# Allegro board 1103400-C000PC024-HI3521DV200-CORE-A01-pcb166.brd
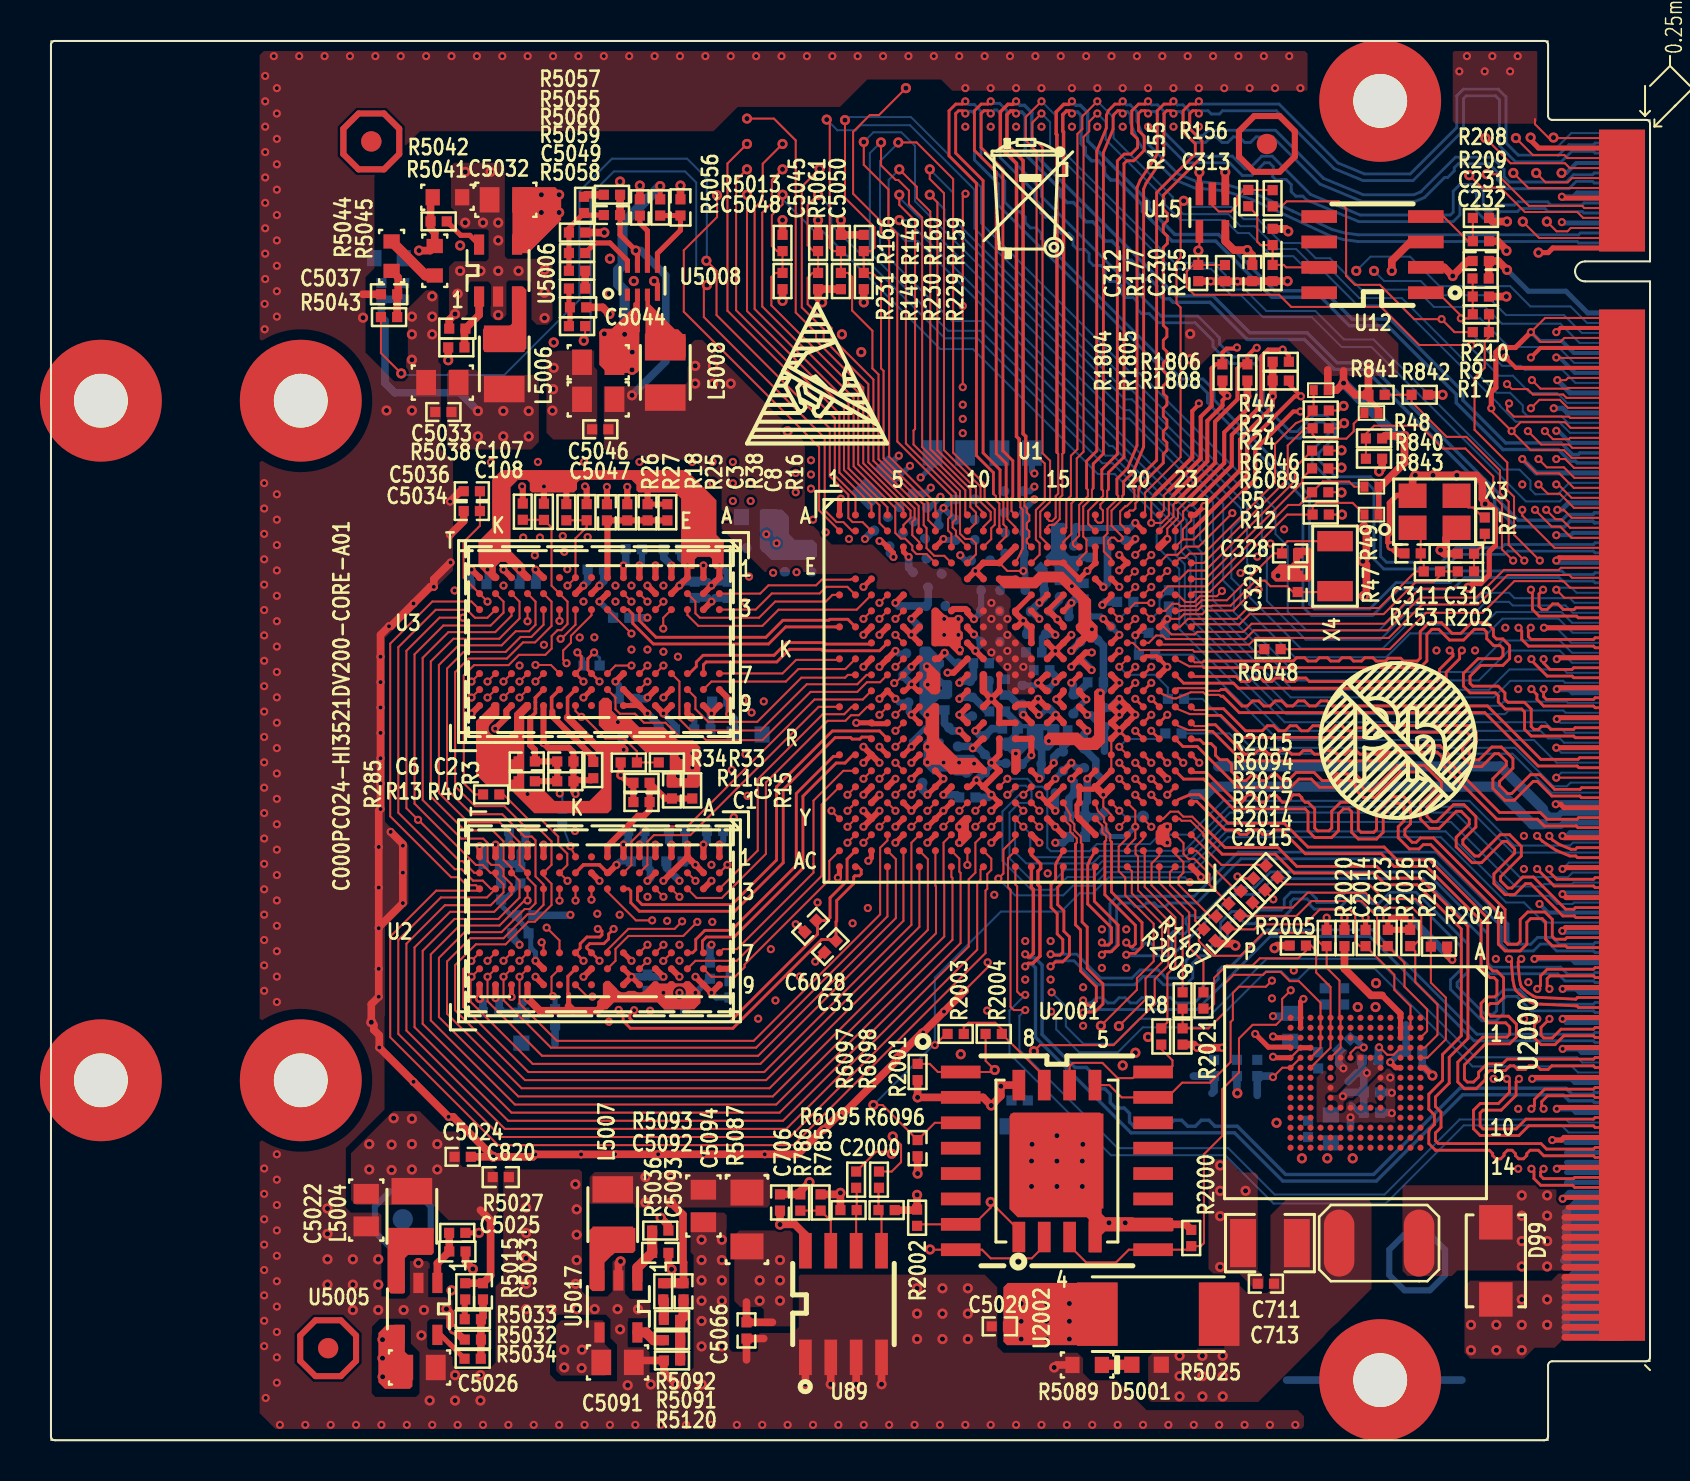
[diagram p0: board, top side]
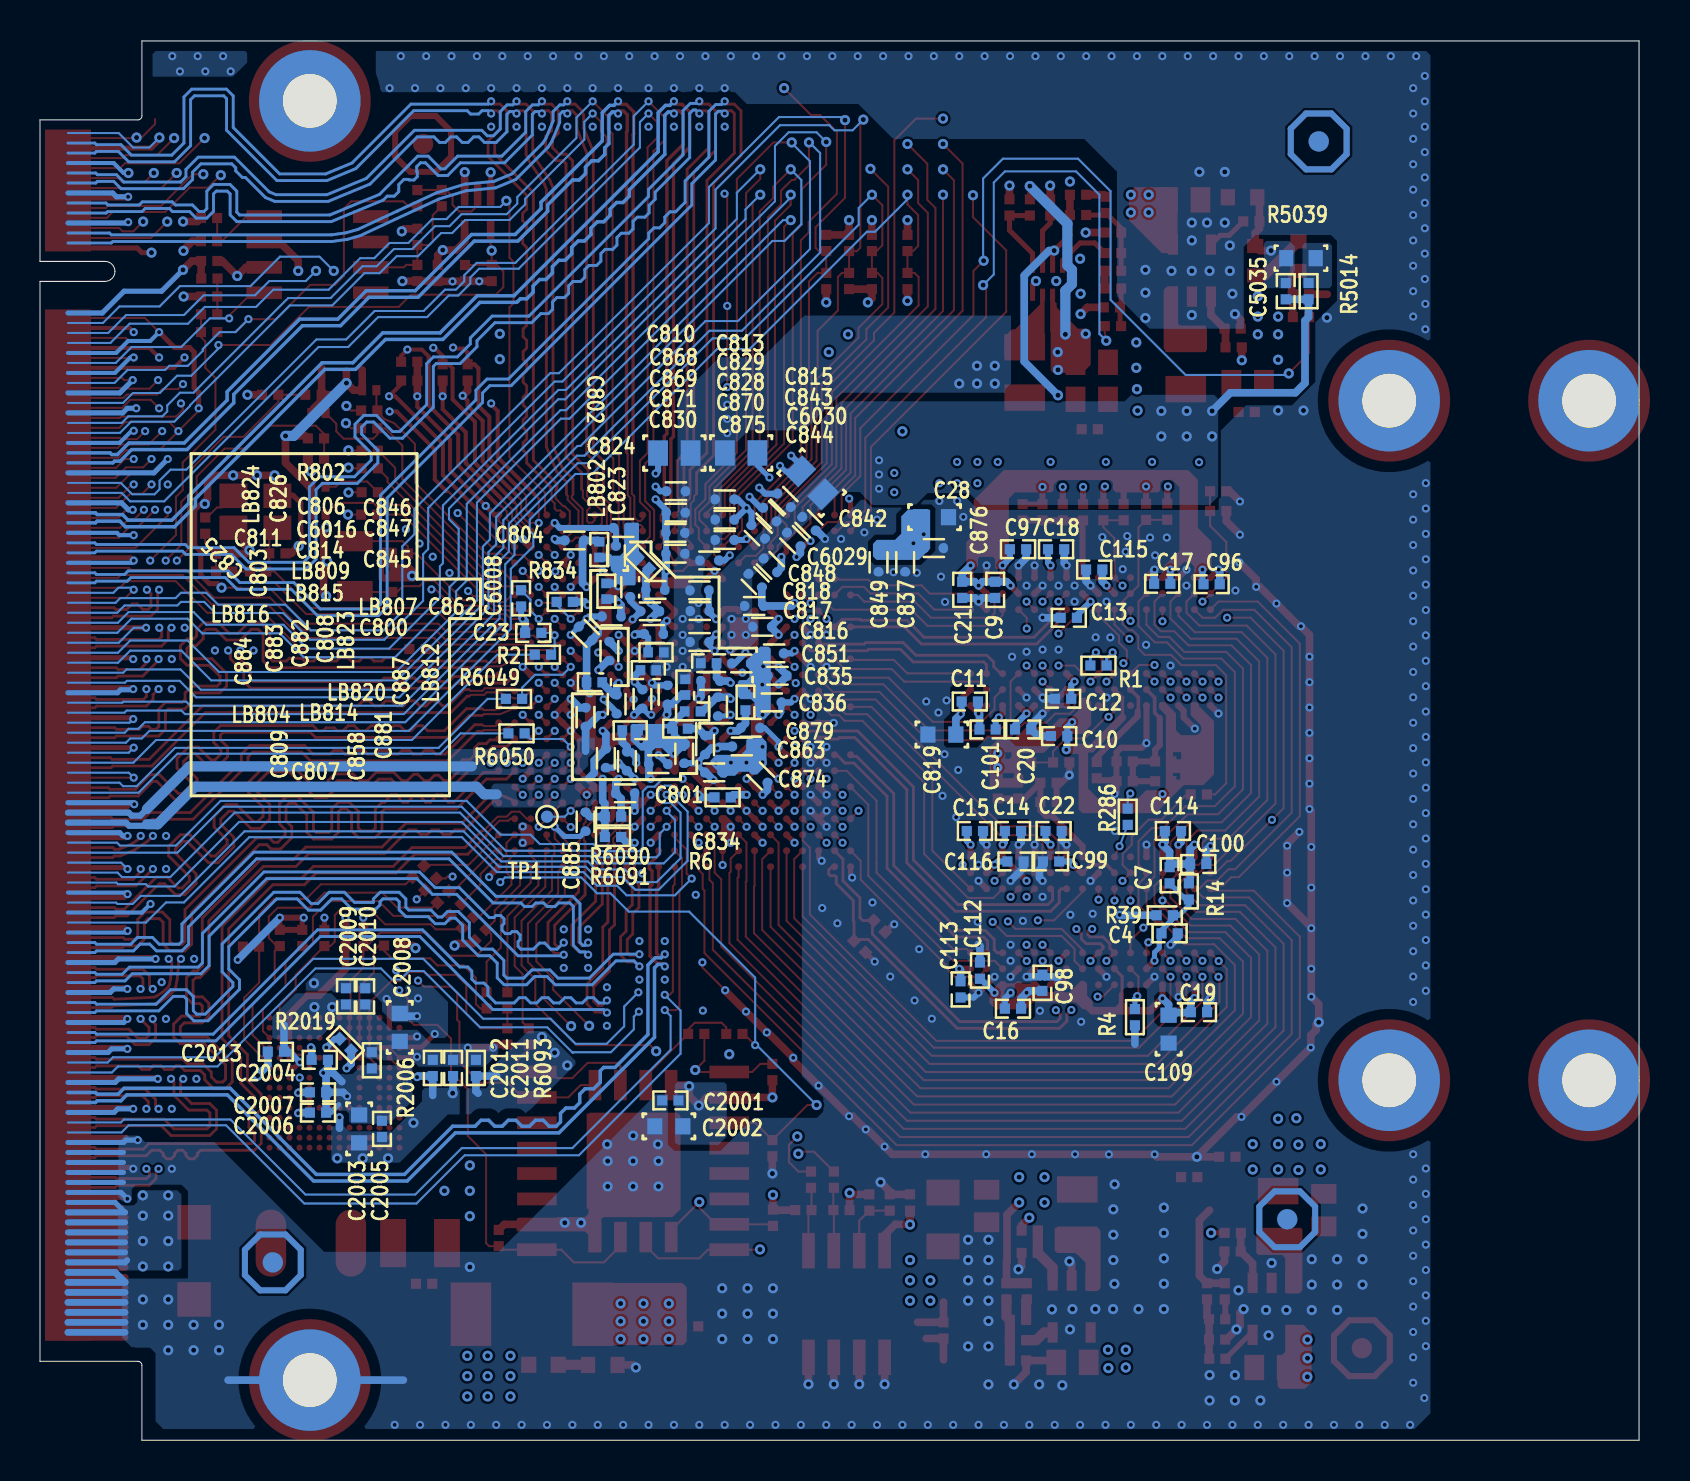
[diagram p1: board, bottom side, seen from below]

Outline 80 x 70.01 mm; copper layers: TOP, GND02, ART03, ART04, GND05, BOTTOM. Coordinates in mm from the lower left corner of the outline.
Outline path: 0,70.01 74.9,70.01 74.9,66.26 arc(74.96,66.12) 75.1,66.06 80,66.06 80,58.98 76.75,58.98 arc(76.4,58.83) 76.25,58.48 76.25,58.48 arc(76.4,58.13) 76.75,57.98 80,57.98 80,3.95 75.1,3.95 arc(74.96,3.89) 74.9,3.75 74.9,0 0,0 0,70.01

## Design rules (mm)
net group $37N240: nets $37N240 I2C0_SDA
net group $37N699: nets $37N699 I2C0_SCL
net group DIFFPAIR8: nets USB2_2_DM USB2_2_DP
net group DIFFPAIR9: nets USB2_0_DM USB2_0_DP
net group DIFFPAIR26: nets USB2_1_DM USB2_1_DP
net group DIFFPAIR28: nets DDR_CLK_N DDR_CLK_P
net group EMMC_CLK_R: nets EMMC_CLK_R N17822
net group EMMC_CMD: nets EMMC_CMD EMMC_CMD_R
net group EMMC_DATA0: nets EMMC_DATA0 EMMC_DATA0_R
net group EMMC_DATA1: nets EMMC_DATA1 EMMC_DATA1_R
net group EMMC_DATA2: nets EMMC_DATA2 EMMC_DATA2_R
net group EMMC_DATA3: nets EMMC_DATA3 EMMC_DATA3_R
net group I2C1_SCL: nets $37N701 I2C1_SCL
net group I2S0_BCLK: nets I2S0_BCLK I2S0_BCLK_R
net group I2S0_MCLK: nets I2S0_MCLK I2S0_MCLK_R
net group I2S1_BCLK: nets I2S1_BCLK I2S1_BCLK_R
net group N15763: nets N15763 N15781
net group SFC_250MIL: nets SFC_MISO_IO1 SFC_MOSI_IO0
net group SFC_CLK: nets SFC_CLK SFC_CLK_R
net group SFC_WP_IO2: nets N17840 SFC_WP_IO2
net group VI_AD_REFCLK0/MIPIRX_CMOS_MODE_: nets N04522 VI_AD_REFCLK0/MIPIRX_CMOS_MODE_
net group VI_AD_REFCLK1/MIPIRX_CMOS_MODE_: nets N04474 VI_AD_REFCLK1/MIPIRX_CMOS_MODE_
net group DDR4_DQ: nets DDR_A0 DDR_A1 DDR_A2 DDR_A3 DDR_A4 DDR_A5 DDR_A6 DDR_A7 DDR_A8 DDR_A9 DDR_A10 DDR_A11 DDR_A12 DDR_A13 DDR_A14 DDR_A15 DDR_BA0 DDR_BA1 DDR_CKE DDR_CS_N DDR_CS_N_1 DDR_DM0 DDR_DM1 DDR_DM2 DDR_DM3 DDR_DQ0 DDR_DQ1 DDR_DQ2 DDR_DQ3 DDR_DQ4 DDR_DQ5 DDR_DQ6 DDR_DQ7 DDR_DQ8 DDR_DQ9 DDR_DQ10 DDR_DQ11 DDR_DQ12 DDR_DQ13 DDR_DQ14 DDR_DQ15 DDR_DQ16 DDR_DQ17 DDR_DQ18 DDR_DQ19 DDR_DQ20 DDR_DQ21 DDR_DQ22 DDR_DQ23 DDR_DQ24 DDR_DQ25 DDR_DQ26 DDR_DQ27 DDR_DQ28 DDR_DQ29 DDR_DQ30 DDR_DQ31 DDR_DQS0_N DDR_DQS0_P DDR_DQS1_N DDR_DQS1_P DDR_DQS2_N DDR_DQS2_P DDR_DQS3_N DDR_DQS3_P DDR_ODT DDR_ODT_1 DDR_RESET_N
net group MIPI_RX1_CK_150MIL: nets MIPI_RX1_CKN/VI1_DATA6 MIPI_RX1_CKP/VI1_DATA5 MIPI_RX1_D0N/VI1_DATA2 MIPI_RX1_D0P/VI1_DATA1 MIPI_RX1_D1N/VI1_DATA0 MIPI_RX1_D1P/VI1_CLK MIPI_RX1_D2N/VI1_CLK MIPI_RX1_D2P/VI1_DATA7 MIPI_RX1_D3N/VI1_DATA4 MIPI_RX1_D3P/VI1_DATA3
net group MONI: nets CVBS VGA_B VGA_G VGA_R
net group RST: nets JTAG_TRSTN/SPI1_CSN SYS_RSTN_OUT SYS_RSTN_OUT/WDG_RSTN WDG_RSTN_RST
net group SFC_HOLD_IO3: nets $22N821 SFC_HOLD_IO3 SYS_RSTN

## Placement (name value [footprint] x y rotation side)
C1  100NF  [SC0402]  29.54 31.93 180 top
C2  100NF  [SC0402]  25.73 33.96 0 top
C3  100NF  [SC0402]  27.82 46.43 90 top
C4  100NF  [SC0402]  23.49 25.36 180 bottom
C5  100NF  [SC0402]  31.07 32.51 270 top
C6  100NF  [SC0402]  23.8 33.96 0 top
C7  100NF  [SC0402]  23.49 28.27 270 bottom
C8  100NF  [SC0402]  29.85 46.43 270 top
C9  100NF  [SC0402]  32.21 42.55 270 bottom
C10  100NF  [SC0402]  29.01 35.23 0 bottom
C11  100NF  [SC0402]  33.48 36.96 180 bottom
C12  100NF  [SC0402]  28.82 37.1 0 bottom
C13  100NF  [SC0402]  28.53 41.15 0 bottom
C14  100NF  [SC0402]  31.32 30.48 180 bottom
C15  100NF  [SC0402]  33.23 30.48 180 bottom
C16  100NF  [SC0402]  31.32 21.59 0 bottom
C17  100NF  [SC0402]  23.85 42.85 0 bottom
C18  100NF  [SC0402]  29.16 44.58 180 bottom
C19  100NF  [SC0402]  22.02 21.42 180 bottom
C20  100NF  [SC0402]  30.81 35.56 180 bottom
C21  100NF  [SC0402]  33.86 42.55 270 bottom
C22  100NF  [SC0402]  29.29 30.48 180 bottom
C23  100NF/NC  [SC0402]  55.32 40.39 0 bottom
C28  10UF  [SC0603]  35.25 46.18 180 bottom
C33  2.2PF  [SC0402]  38.99 24.7 225 top
C96  1UF  [SC0402]  21.39 42.83 180 bottom
C97  1UF  [SC0402]  31.07 44.58 180 bottom
C98  1UF  [SC0402]  29.85 22.89 90 bottom
C99  1U  [SC0402]  29.42 28.96 0 bottom
C100  1U  [SC0402]  22.05 28.83 180 bottom
C101  1UF  [SC0402]  32.59 35.56 0 bottom
C107  1NF  [SC0402]  21.06 47.48 180 top
C108  1NF  [SC0402]  21.06 46.49 180 top
C109  10UF  [SC0603]  23.54 20.57 270 bottom
C112  470NF  [SC0402]  32.97 23.5 90 bottom
C113  470NF  [SC0402]  33.94 22.56 270 bottom
C114  470NF  [SC0402]  23.32 30.48 180 bottom
C115  470NF  [SC0402]  27.26 43.56 0 bottom
C116  470NF  [SC0402]  31.2 28.96 180 bottom
C230  100NF  [SC0402]  60.1 58.4 270 top
C231  100NF  [SC0402]  71.53 59 0 top
C232  100NF  [SC0402]  71.53 58.12 0 top
C310  18PF  [SC0402]  70.79 44.36 180 top
C311  18PF  [SC0402]  68.12 44.37 180 top
C312  1NF  [SC0402]  57.4 58.4 270 top
C313  1NF  [SC0402]  61.12 60.2 90 top
C328  27PF  [SC0402]  62 44.37 0 top
C329  27PF  [SC0402]  62.38 42.84 90 top
C706  100nF  [SC0402]  36.47 11.9 270 top
C711  22UF/25V  [SC1210B]  60.98 9.86 180 top
C713  100NF  [SC0402]  60.78 7.83 180 top
C800  1uF  [SC0402-BGA]  46.46 37.99 0 bottom
C801  100nF  [SC0402-BGA]  50.72 32.37 180 bottom
C802  100nF  [SC0402-BGA]  51.69 34.12 270 bottom
C803  100nF  [SC0402-BGA]  51.51 39.48 270 bottom
C804  1uF  [SC0402-BGA]  53.26 45.02 0 bottom
C806  100nF  [SC0402-BGA]  49.22 42.54 180 bottom
C807  100nF  [SC0402-BGA]  49.07 33.83 180 bottom
C808  1uF  [SC0402-BGA]  48.6 37.3 90 bottom
C809  1uF  [SC0402-BGA]  50.63 33.97 270 bottom
C810  22UF/NC*  [SC0805B]  48.26 49.39 0 bottom
C811  2.2UF  [SC0402-BGA]  51.41 41.22 0 bottom
C813  22UF  [SC0805B]  44.92 49.4 180 bottom
C814  2.2UF  [SC0402-BGA]  49.29 40.34 180 bottom
C815  22UF/NC*  [SC0805B]  41.39 47.9 45 bottom
C816  1uF  [SC0402-BGA]  43.87 40.7 180 bottom
C817  1uF  [SC0402-BGA]  44.27 41.74 180 bottom
C818  1uF  [SC0402-BGA]  44.22 43.01 225 bottom
C819  10UF  [SC0603]  34.88 35.31 0 bottom
C820  4.7uF  [SC0402-PD]  22.5 13.17 0 top
C823  100nF  [SC0402-BGA]  51.18 44.27 90 bottom
C824  100nF  [SC0402-BGA]  50.82 45.64 0 bottom
C825  100nF  [SC0402-BGA]  52.7 40.37 45 bottom
C826  100nF  [SC0402-BGA]  50.47 42.68 270 bottom
C828  100nF/NC*  [SC0402-BGA]  45.74 46.06 180 bottom
C829  100nF/NC*  [SC0402-BGA]  45.74 47.08 180 bottom
C830  100nF/NC*  [SC0402-BGA]  48.21 44.36 0 bottom
C834  100nF  [SC0402-BGA]  46.27 33.41 0 bottom
C835  100nF  [SC0402-BGA]  43.1 38.25 180 bottom
C836  100nF  [SC0402-BGA]  43.38 36.92 180 bottom
C837  100nF  [SC0402-BGA]  36.72 43.93 270 bottom
C842  100nF/NC*  [SC0402-BGA]  41.53 45.86 225 bottom
C843  100nF/NC*  [SC0402-BGA]  42.77 47.02 45 bottom
C844  4.7uF  [SC0402-BGA]  44.07 45.45 45 bottom
C845  1uF  [SC0402-BGA]  47 39.94 180 bottom
C846  1uF  [SC0402-BGA]  47.01 42.52 180 bottom
C847  1uF  [SC0402-BGA]  46.99 41.49 180 bottom
C848  4.7uF  [SC0402-BGA]  43.46 43.77 225 bottom
C849  100nF  [SC0402-BGA]  38.05 43.93 270 bottom
C851  100nF  [SC0402-BGA]  43.27 39.37 180 bottom
C858  1uF  [SC0402-BGA]  47.77 34.35 270 bottom
C862  100nF  [SC0402-BGA]  44.91 38.86 0 bottom
C863  100nF  [SC0402-BGA]  44.89 34.71 0 bottom
C868  4.7uF  [SC0402-BGA]  48.18 47.48 0 bottom
C869  4.7uF  [SC0402-BGA]  48.19 46.41 0 bottom
C870  2.2UF  [SC0402-BGA]  45.74 45.04 180 bottom
C871  2.2UF  [SC0402-BGA]  48.21 45.4 0 bottom
C874  1uF  [SC0402-BGA]  43.94 33.24 225 bottom
C875  1uF  [SC0402-BGA]  46.51 44.02 180 bottom
C876  100nF  [SC0402-BGA]  35.28 44.64 180 bottom
C879  1uF  [SC0402-BGA]  44.45 35.64 180 bottom
C881  1uF  [SC0402-BGA]  46.72 34.78 270 bottom
C882  1uF  [SC0402-BGA]  49.86 37.09 270 bottom
C883  1uF  [SC0402-BGA]  51.15 36.82 270 bottom
C884  100nF  [SC0402-BGA]  52.7 36.18 90 bottom
C885  100nF  [SC0402-BGA]  52.7 30.95 270 bottom
C887  1uF  [SC0402-BGA]  46.08 36.71 270 bottom
C2000  1NF  [SC0402]  43.36 14.61 270 top
C2001  100NF  [SC0402]  48.46 17 0 bottom
C2002  10UF  [SC0603]  48.54 15.71 0 bottom
C2003  10UF  [SC0603]  64.03 15.58 270 bottom
C2004  100NF  [SC0402]  66 19.03 0 bottom
C2005  100NF  [SC0402]  62.89 15.58 270 bottom
C2006  100NF  [SC0402]  66.09 16.39 0 bottom
C2007  100NF  [SC0402]  66.09 17.41 0 bottom
C2008  10UF  [SC0603]  62 20.66 90 bottom
C2009  100NF  [SC0402]  64.69 22.21 90 bottom
C2010  100NF  [SC0402]  63.73 22.21 90 bottom
C2011  100NF  [SC0402]  59.33 18.63 270 bottom
C2012  100NF  [SC0402]  60.35 18.63 270 bottom
C2013  100NF  [SC0402]  68.2 19.44 0 bottom
C2014  100NF  [SC0402]  64.71 25.13 90 top
C2015  1NF  [SC0402]  57.96 25.28 315 top
C5020  100NF  [SC0402]  47.47 5.7 180 top
C5022  10UF  [SC0805]  15.77 11.52 270 top
C5023  47pF/NC*  [SC0402]  21.61 7.45 270 top
C5024  100NF  [SC0402]  20.6 14.18 0 top
C5025  1uF  [SC0402-PD]  20.33 9.44 0 top
C5026  10UF  [SC0805]  18.44 3.64 0 top
C5032  10UF  [SC0805]  22.76 62.06 180 top
C5033  1uF  [SC0402-PD]  20.33 55.62 180 top
C5034  100NF  [SC0402]  19.63 51.44 180 top
C5035  47pF/NC*  [SC0402]  17.68 57.49 90 bottom
C5036  10UF  [SC0805]  19.58 52.92 180 top
C5037  1uF  [SC0402-PD]  16.92 57.34 180 top
C5044  10UF  [SC0805]  27.38 53.93 180 top
C5045  1NF  [SC0402]  29.46 61.68 90 top
C5046  10UF  [SC0805]  27.38 52.08 180 top
C5047  100NF  [SC0402]  27.48 50.58 180 top
C5048  47pF/NC*  [SC0402]  28.07 61.3 180 top
C5049  1uF  [SC0402-PD]  26.37 56.68 0 top
C5050  1uF  [SC0402-PD]  31.5 61.68 90 top
C5066  100NF  [SC0402]  34.8 5.5 270 top
C5091  10UF  [SC0805]  28.35 3.9 0 top
C5092  1uF  [SC0402-PD]  30.48 9.38 0 top
C5093  47pF/NC*  [SC0402]  31.65 7.45 270 top
C5094  10UF  [SC0805]  32.64 11.72 270 top
C6008  1NF  [SC0402]  55.93 42.12 270 bottom
C6016  2.2UF  [SC0402-BGA]  49.48 41.47 0 bottom
C6028  2.2PF  [SC0402]  38 25.71 225 top
C6029  100nF/NC*  [SC0402-BGA]  42.29 45.07 225 bottom
C6030  100nF/NC*  [SC0402-BGA]  43.48 46.31 45 bottom
D99  1SMA26CAT3G  [SD1710A]  72.29 8.98 90 top
D5001  LED  [HSD0603-LED]  54.81 3.78 180 top
F3  SF1812/2A  [SF1812]  66.45 9.86 180 top
L5004  1UH  [SL1008H]  18.06 11.21 90 top
L5006  1UH  [SL1008H]  22.68 53.85 270 top
L5007  1UH  [SL1008H]  28.11 11.29 90 top
L5008  1UH  [SL1008H]  30.73 53.43 270 top
LB802  LB  [SL0402]  52.02 44.56 90 bottom
LB804  LB  [SL0402]  50.47 35.52 0 bottom
LB807  LB  [SL0402]  46.54 38.88 180 bottom
LB809  LB  [SL0402]  49.18 39.42 0 bottom
LB812  LB  [SL0402]  44.7 36.93 270 bottom
LB814  LB  [SL0402]  47.99 35.61 180 bottom
LB815  LB  [SL0402]  49.57 38.53 0 bottom
LB816  LB  [SL0402]  52.26 37.92 180 bottom
LB820  LB  [SL0402]  47.35 36.47 180 bottom
LB823  LB  [SL0402]  47.72 37.68 270 bottom
LB824  LB  [SL0402]  51.66 42.48 270 bottom
NOREF  -  []  0 0 90 top
NOREF#2  -  []  24.26 92.13 0 top
NOREF#3  -  []  0 70.01 0 top
NOREF#4  -  [unnamed#2]  60.83 64.86 0 top
NOREF#5  -  []  167.56 62.04 0 top
NOREF#6  -  []  168.73 141.49 0 top
NOREF#7  -  []  -65.66 -45.76 0 top
NOREF#8  -  []  51.43 62.24 0 top
NOREF#9  -  [unnamed#2]  13.87 4.61 0 top
NOREF#10  -  []  145.29 203.84 0 top
NOREF#11  -  []  67.39 35.01 0 top
NOREF#12  -  []  152.91 36.76 0 top
NOREF#13  -  []  37.64 52.87 0 top
NOREF#14  -  []  43.79 211.54 0 top
NOREF#15  -  [unnamed#2]  16.03 64.98 0 top
NOREF#16  -  []  9.73 -0.52 270 top
NOREF#17  -  [unnamed#2]  68.35 8.9 180 bottom
NOREF#18  -  [unnamed#2]  17.6 11.06 180 bottom
NOREF#19  -  [unnamed#2]  16.03 64.98 180 bottom
R1  75  [SR0402]  27.05 38.76 180 bottom
R2  0  [SR0402]  54.84 39.3 0 bottom
R3  240  [SR0402]  27.13 33.53 90 top
R4  240  [SR0402]  25.22 21.17 90 bottom
R5  33  [SR0402]  63.5 47.43 180 top
R6  240  [SR0402]  45.85 32.16 180 bottom
R7  0  [SR0402]  71.73 45.76 270 top
R8  33  [SR0402]  55.55 20.2 270 top
R9  0/NC*  [SR0402]  71.54 56.33 180 top
R11  1K  [SR0402]  29.54 32.9 180 top
R12  33  [SR0402]  63.52 46.31 180 top
R13  1K  [SR0402]  23.8 32.97 0 top
R14  1K  [SR0402]  22.52 27.46 270 bottom
R15  1K  [SR0402]  32.08 32.51 270 top
R16  1K  [SR0402]  30.84 46.43 270 top
R17  0  [SR0402]  71.54 55.44 180 top
R18  100  [SR0402]  25.79 46.43 270 top
R23  33  [SR0402]  63.52 51.52 180 top
R24  33  [SR0402]  63.52 50.63 180 top
R25  100  [SR0402]  26.8 46.43 90 top
R26  100  [SR0402]  23.6 46.46 90 top
R27  100  [SR0402]  24.66 46.45 270 top
R33  100  [SR0402]  30.81 33.91 180 top
R34  100  [SR0402]  28.91 33.91 180 top
R38  1K  [SR0402]  28.83 46.43 90 top
R39  1K  [SR0402]  23.73 26.27 0 bottom
R40  1K  [SR0402]  25.73 32.97 0 top
R44  1K  [HSC0402-HDTA]  63.52 52.54 180 top
R47  1K  [HSC0402-HDTA]  66.06 46.31 180 top
R48  1K  [HSC0402-HDTA]  66.06 51.39 180 top
R49  1K  [HSC0402-HDTA]  66.06 47.71 180 top
R146  4.7K*  [SR0402]  38.38 59.9 90 top
R148  1K  [SR0402]  38.38 58 90 top
R153  1MEG/NC*  [SR0402]  69.09 43.47 0 top
R155  0/NC*  [SR0402]  59.9 62.15 90 top
R156  0  [SR0402]  61.12 62.14 90 top
R159  4.7K  [SR0402]  40.66 59.9 90 top
R160  1K*  [SR0402]  39.52 59.9 90 top
R166  1K*  [SR0402]  36.6 59.9 90 top
R177  1K  [SR0402]  58.73 58.39 270 top
R202  100  [SR0402]  70.79 43.47 0 top
R208  4.7K  [SR0402]  71.54 61.15 0 top
R209  4.7K  [SR0402]  71.54 59.99 180 top
R210  4.7K  [SR0402]  71.54 57.22 180 top
R229  1K*  [SR0402]  40.66 58 90 top
R230  1K  [SR0402]  39.52 58 90 top
R231  1K  [SR0402]  36.6 58 90 top
R255  100K  [SR0402]  61.12 58.4 270 top
R285  10  [SR0402]  22.03 32.31 180 top
R286  10  [SR0402]  25.58 31.19 90 bottom
R785  NC  [SR0402]  38.51 11.9 270 top
R786  4.7K  [SR0402]  37.49 11.9 90 top
R802  0  [SR0402]  49.81 43.9 45 bottom
R834  12K  [SR0402]  53.75 41.94 180 bottom
R840  4.7K/NC*  [SR0402]  66.19 50.12 180 top
R841  4.7K  [SR0402]  66.32 52.31 0 top
R842  1K/NC*  [SR0402]  68.48 52.31 0 top
R843  1K  [SR0402]  66.19 49.11 0 top
R1407  33  [SR0402]  57.66 22.01 270 top
R1804  75  [SR0402]  58.61 53.43 270 top
R1805  75  [SR0402]  59.85 53.43 270 top
R1806  75  [SR0402]  61.53 53.96 180 top
R1808  75  [SR0402]  61.53 53.02 180 top
R2000  4.7K  [SR0402]  57.05 10.12 90 top
R2001  4.7K  [SR0402]  43.36 18.42 90 top
R2002  4.7K  [SR0402]  43.33 11.13 270 top
R2003  0/NC*  [SR0402]  45.26 20.33 180 top
R2004  0  [SR0402]  47.17 20.33 180 top
R2005  47K/NC*  [SR0402]  62.38 24.75 180 top
R2006  0/NC*  [SR0402]  63.4 19.01 90 bottom
R2008  33  [SR0402]  56.62 22.01 270 top
R2014  33  [SR0402]  58.58 25.92 315 top
R2015  33  [SR0402]  61.07 28.46 315 top
R2016  33  [SR0402]  59.83 27.19 315 top
R2017  33  [SR0402]  59.21 26.55 315 top
R2019  20K  [SR0402]  64.72 19.8 225 bottom
R2020  47K/NC*  [SR0402]  63.82 25.13 270 top
R2021  47K/NC*  [SR0402]  56.62 20.2 90 top
R2023  47K/NC*  [SR0402]  65.77 25.13 270 top
R2024  47K/NC*  [SR0402]  69.44 24.7 180 top
R2025  47K/NC*  [SR0402]  68 25.13 270 top
R2026  47K/NC*  [SR0402]  66.88 25.13 270 top
R5013  0  [SR0402]  28.07 62.32 180 top
R5014  0  [SR0402]  16.53 57.49 90 bottom
R5015  0  [SR0402]  20.73 7.45 270 top
R5025  0.005  [SR2512C]  55.4 6.31 180 top
R5027  75K  [SR0402]  20.33 10.38 180 top
R5032  10K  [SR0402]  21.11 5.04 180 top
R5033  15K  [SR0402]  21.11 6.05 0 top
R5034  0  [SR0402]  21.1 4.08 0 top
R5036  0  [SR0402]  30.63 7.45 270 top
R5038  100K  [SR0402]  20.28 54.68 0 top
R5039  13.3K  [SR0603]  16.92 59.14 0 bottom
R5041  0  [SR0402]  19.4 60.98 180 top
R5042  18K  [SR0603]  19.84 62.19 0 top
R5043  1K  [SR0402]  16.92 56.19 0 top
R5044  120K  [SR0603]  17.04 59.24 90 top
R5045  26.1K  [SR0603]  19.2 59.01 90 top
R5055  0  [SR0402]  26.32 59.4 180 top
R5056  17.4K  [SR0402]  26.67 61.81 270 top
R5057  24.9K  [SR0402]  26.32 60.42 0 top
R5058  1K  [SR0402]  26.32 55.74 180 top
R5059  100K  [SR0402]  26.32 57.62 0 top
R5060  75K  [SR0402]  26.32 58.51 180 top
R5061  100K  [SR0402]  30.48 61.68 270 top
R5087  0.005  [SR1206]  34.82 11.05 270 top
R5089  470  [SR0603]  51.84 3.77 180 top
R5091  0  [SR0402]  31.07 5.01 0 top
R5092  20K  [SR0402]  31.07 6.02 0 top
R5093  75K  [SR0402]  30.48 10.49 180 top
R5120  10K  [SR0402]  31.07 3.99 180 top
R6046  33  [SR0402]  63.5 49.51 0 top
R6048  33  [SR0402]  61.11 39.58 0 top
R6049  33  [SR0402]  56.29 37.09 180 bottom
R6050  33  [SR0402]  56.16 35.37 0 bottom
R6089  33  [SR0402]  63.5 48.62 0 top
R6090  0/NC*  [SR0402]  51.33 31.2 0 bottom
R6091  0  [SR0402]  51.33 30.18 0 bottom
R6093  0  [SR0402]  58.19 18.63 90 bottom
R6094  0  [SR0402]  60.45 27.82 315 top
R6095  4.7K  [SR0402]  39.9 11.52 0 top
R6096  4.7K  [SR0402]  41.81 11.52 180 top
R6097  0R  [SR0402]  40.28 13.04 90 top
R6098  0R  [SR0402]  41.43 13.04 90 top
TP1  TESTPOINT  [TP24-SMD]  54.63 31.2 180 bottom
U1  HI3521DV200_VI  [BGA424-32-2323]  48.25 37.49 270 top
U2  MT41J256M16RE-15E-D  [BGA96-32-1609I]  27.44 25.99 180 top
U3  MT41J256M16RE-15E-D  [BGA96-32-1609I]  27.44 39.96 180 top
U12  ADM706SAR  [SOP8-50-150]  66.12 59.32 90 top
U15  SN74LVC1G125Q-Q1  [HSOT-SC70-DCK]  58.1 61.42 180 top
U89  AT88SC0104C  [SOP8-50-150]  39.65 6.82 0 top
U102  gf_mxm2_p230h6  [GF_MXM2]  54 35.01 90 top
U2000  H26M52103FMR_NC  [BGA153-20-1414-ENIG]  65.27 17.89 180 top
U2001  NC*  [SOP16-50-300A]  50.33 13.98 270 top
U2002  SPI_NAND_FLASH_8PIN  [WSON8-MX25L12835ZN]  50.33 13.97 0 top
U5005  ETA3413S2F  [SOT23-5]  18.38 6.57 180 top
U5006  ETA3413S2F  [SOT23-5]  22.37 58.52 0 top
U5008  MP1614  [HSOT583-8]  29.59 58.01 0 top
U5017  ETA3413S2F  [SOT23-5]  28.39 6.69 180 top
X3  24MHZ  [HSX4-0302]  69.22 46.45 0 top
X4  32.768KHZ  [HSX2-0302]  64.24 43.73 90 top

## Library data of the parts
C1-C23 C28 C33 C96-C101 C107-C109 C112-C116 C230-C232 C310-C313 C328 C329 C800-C804 C806-C811 C813-C820 C823-C826 C828-C830 C834-C837 C842-C849 C851 C858 C862 C863 C868-C871 C874-C876 C879 C881-C885 C887 C2000-C2013 C5020 C5022-C5026 C5032-C5037 C5044-C5050 C5066 C5091-C5094 C6008 C6016 C6028-C6030 = C
C706 = CAP_NP
C711 C713 = C_0
C2014 = C: signal model: SC0402_100NF
C2015 = C: signal model: SC0402_1NF
D99 = DZ3_0
D5001 = LED
F3 = FUSE2_0
L5004 L5006-L5008 = L
LB802 LB804 LB807 LB809 LB812 LB814-LB816 LB820 LB823 LB824 = LB
R1 R2 R5-R7 R9 R11 R13-R18 R26 R27 R33 R34 R38-R40 R44 R146 R148 R153 R156 R159 R160 R177 R202 R208-R210 R255 R285 R286 R802 R834 R840-R843 R1804-R1806 R1808 R2002 R2006 R2019 R5013-R5015 R5025 R5027 R5032-R5034 R5036 R5038 R5039 R5041-R5045 R5055-R5061 R5087 R5089 R5091-R5093 R5120 R6090 R6091 R6093 = R
R3 = R: signal model: SR0402_4.7
R4 R47-R49 R155 R166 R229 R230 R2004 R6094 = R: signal model: SR0402_0
R8 R12 R23-R25 R1407 R2008 R2014-R2017 R6046 R6048-R6050 R6089 = R: signal model: SR0402_33
R231 = R: signal model: SR0402_0/NC
R785 R786 R6095-R6098 = Resistor
R2000 R2001 = R: signal model: SR0402_4.7K
R2003 = R: signal model: SR0402_0/NC*
R2005 = R: signal model: SR0402_47K/NC
R2020 R2021 R2023-R2026 = R: signal model: SR0402_47K/NC*
TP1 = TESTPOINT
U1 = HI3521DV200
U2 U3 = MT41J256M16RE-15E-D_0
U12 = ADM706SAR_3
U15 = SN74LVC1G125Q-Q1_0: signal model: 74LVC1G125DBVR_SOT5
U89 = 24C08/NC
U102 = gf_mxm2_p230h6_0
U2000 = H26M52103FMR_NC
U2001 = N25Q512A11GSF40G_1
U2002 = SPI_NAND_FLASH_0
U5005 U5006 U5017 = ETA3413S2F
U5008 = MP1614
X3 = X_B
X4 = X

## Footprints (pads in the part's own frame, mm; a bottom-side part is the same pattern mirrored in y, then rotated)
BGA96-32-1609I
  round 0.356 smd: A1(-6,-3.2) A2(-6,-2.4) A3(-6,-1.6) A7(-6,1.6) A8(-6,2.4) A9(-6,3.2) B1(-5.2,-3.2) B2(-5.2,-2.4) B3(-5.2,-1.6) B7(-5.2,1.6) B8(-5.2,2.4) B9(-5.2,3.2) C1(-4.4,-3.2) C2(-4.4,-2.4) C3(-4.4,-1.6) C7(-4.4,1.6) C8(-4.4,2.4) C9(-4.4,3.2) D1(-3.6,-3.2) D2(-3.6,-2.4) D3(-3.6,-1.6) D7(-3.6,1.6) D8(-3.6,2.4) D9(-3.6,3.2) E1(-2.8,-3.2) E2(-2.8,-2.4) E3(-2.8,-1.6) E7(-2.8,1.6) E8(-2.8,2.4) E9(-2.8,3.2) F1(-2,-3.2) F2(-2,-2.4) F3(-2,-1.6) F7(-2,1.6) F8(-2,2.4) F9(-2,3.2) G1(-1.2,-3.2) G2(-1.2,-2.4) G3(-1.2,-1.6) G7(-1.2,1.6) G8(-1.2,2.4) G9(-1.2,3.2) H1(-0.4,-3.2) H2(-0.4,-2.4) H3(-0.4,-1.6) H7(-0.4,1.6) H8(-0.4,2.4) H9(-0.4,3.2) J1(0.4,-3.2) J2(0.4,-2.4) J3(0.4,-1.6) J7(0.4,1.6) J8(0.4,2.4) J9(0.4,3.2) K1(1.2,-3.2) K2(1.2,-2.4) K3(1.2,-1.6) K7(1.2,1.6) K8(1.2,2.4) K9(1.2,3.2) L1(2,-3.2) L2(2,-2.4) L3(2,-1.6) L7(2,1.6) L8(2,2.4) L9(2,3.2) M1(2.8,-3.2) M2(2.8,-2.4) M3(2.8,-1.6) M7(2.8,1.6) M8(2.8,2.4) M9(2.8,3.2) N1(3.6,-3.2) N2(3.6,-2.4) N3(3.6,-1.6) N7(3.6,1.6) N8(3.6,2.4) N9(3.6,3.2) P1(4.4,-3.2) P2(4.4,-2.4) P3(4.4,-1.6) P7(4.4,1.6) P8(4.4,2.4) P9(4.4,3.2) R1(5.2,-3.2) R2(5.2,-2.4) R3(5.2,-1.6) R7(5.2,1.6) R8(5.2,2.4) R9(5.2,3.2) T1(6,-3.2) T2(6,-2.4) T3(6,-1.6) T7(6,1.6) T8(6,2.4) T9(6,3.2)
BGA153-20-1414-ENIG
  round 0.305 smd: A1(-3.25,-3.25) A2(-3.25,-2.75) A3(-3.25,-2.25) A4(-3.25,-1.75) A5(-3.25,-1.25) A6(-3.25,-0.75) A7(-3.25,-0.25) A8(-3.25,0.25) A9(-3.25,0.75) A10(-3.25,1.25) A11(-3.25,1.75) A12(-3.25,2.25) A13(-3.25,2.75) A14(-3.25,3.25) B1(-2.75,-3.25) B2(-2.75,-2.75) B3(-2.75,-2.25) B4(-2.75,-1.75) B5(-2.75,-1.25) B6(-2.75,-0.75) B7(-2.75,-0.25) B8(-2.75,0.25) B9(-2.75,0.75) B10(-2.75,1.25) B11(-2.75,1.75) B12(-2.75,2.25) B13(-2.75,2.75) B14(-2.75,3.25) C1(-2.25,-3.25) C2(-2.25,-2.75) C3(-2.25,-2.25) C4(-2.25,-1.75) C5(-2.25,-1.25) C6(-2.25,-0.75) C7(-2.25,-0.25) C8(-2.25,0.25) C9(-2.25,0.75) C10(-2.25,1.25) C11(-2.25,1.75) C12(-2.25,2.25) C13(-2.25,2.75) C14(-2.25,3.25) D1(-1.75,-3.25) D2(-1.75,-2.75) D3(-1.75,-2.25) D4(-1.75,-1.75) D12(-1.75,2.25) D13(-1.75,2.75) D14(-1.75,3.25) E1(-1.25,-3.25) E2(-1.25,-2.75) E3(-1.25,-2.25) E5(-1.25,-1.25) E6(-1.25,-0.75) E7(-1.25,-0.25) E8(-1.25,0.25) E9(-1.25,0.75) E10(-1.25,1.25) E12(-1.25,2.25) E13(-1.25,2.75) E14(-1.25,3.25) F1(-0.75,-3.25) F2(-0.75,-2.75) F3(-0.75,-2.25) F5(-0.75,-1.25) F10(-0.75,1.25) F12(-0.75,2.25) F13(-0.75,2.75) F14(-0.75,3.25) G1(-0.25,-3.25) G2(-0.25,-2.75) G3(-0.25,-2.25) G5(-0.25,-1.25) G10(-0.25,1.25) G12(-0.25,2.25) G13(-0.25,2.75) G14(-0.25,3.25) H1(0.25,-3.25) H2(0.25,-2.75) H3(0.25,-2.25) H5(0.25,-1.25) H10(0.25,1.25) H12(0.25,2.25) H13(0.25,2.75) H14(0.25,3.25) J1(0.75,-3.25) J2(0.75,-2.75) J3(0.75,-2.25) J5(0.75,-1.25) J10(0.75,1.25) J12(0.75,2.25) J13(0.75,2.75) J14(0.75,3.25) K1(1.25,-3.25) K2(1.25,-2.75) K3(1.25,-2.25) K5(1.25,-1.25) K6(1.25,-0.75) K7(1.25,-0.25) K8(1.25,0.25) K9(1.25,0.75) K10(1.25,1.25) K12(1.25,2.25) K13(1.25,2.75) K14(1.25,3.25) L1(1.75,-3.25) L2(1.75,-2.75) L3(1.75,-2.25) L12(1.75,2.25) L13(1.75,2.75) L14(1.75,3.25) M1(2.25,-3.25) M2(2.25,-2.75) M3(2.25,-2.25) M4(2.25,-1.75) M5(2.25,-1.25) M6(2.25,-0.75) M7(2.25,-0.25) M8(2.25,0.25) M9(2.25,0.75) M10(2.25,1.25) M11(2.25,1.75) M12(2.25,2.25) M13(2.25,2.75) M14(2.25,3.25) N1(2.75,-3.25) N2(2.75,-2.75) N3(2.75,-2.25) N4(2.75,-1.75) N5(2.75,-1.25) N6(2.75,-0.75) N7(2.75,-0.25) N8(2.75,0.25) N9(2.75,0.75) N10(2.75,1.25) N11(2.75,1.75) N12(2.75,2.25) N13(2.75,2.75) N14(2.75,3.25) P1(3.25,-3.25) P2(3.25,-2.75) P3(3.25,-2.25) P4(3.25,-1.75) P5(3.25,-1.25) P6(3.25,-0.75) P7(3.25,-0.25) P8(3.25,0.25) P9(3.25,0.75) P10(3.25,1.25) P11(3.25,1.75) P12(3.25,2.25) P13(3.25,2.75) P14(3.25,3.25)